# KiCad board AOML_AB_3.0_reorganized-v2.kicad_pcb (continued)
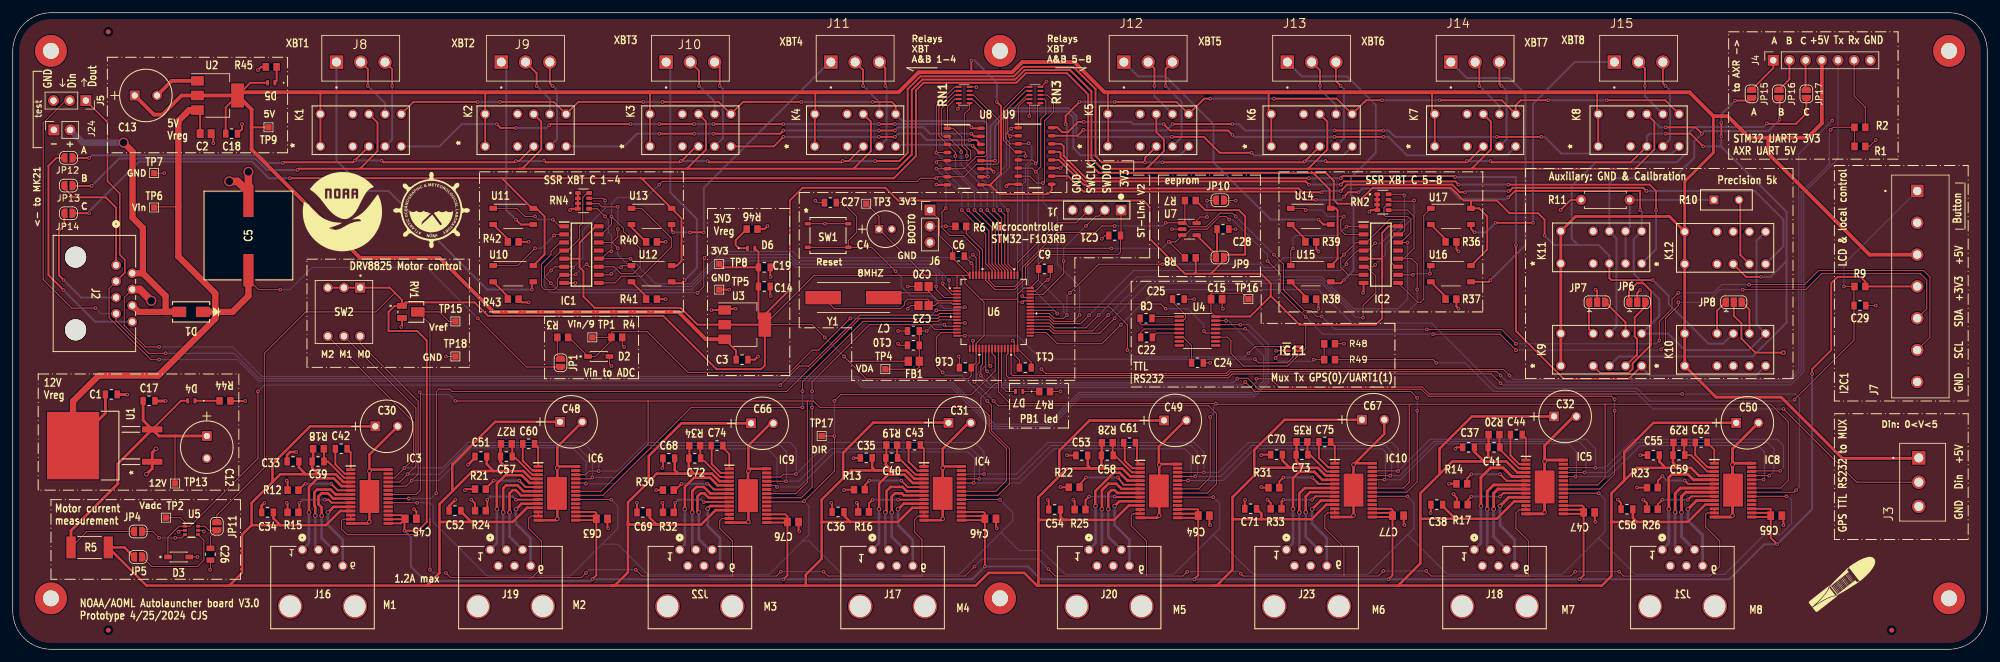
[diagram p0: board, top side]
## Routing (per net, layer and track width the routed paths; a pad name or vN(x,y) marks a point on that pad's centre or on a via; arc(x,y) is an arc through that point) (continued)
/Din_fromComputer: length 249.7
  Top w0.155: v1(193.5,50.32) U4.13 ; v1(13,53.6) 9.27,53.6 4.77,58.09 4.77,82.67 8.3,86.2 J5.2 ; v1(24,46.5) 21.34,46.5 16.23,51.61 J2.7
  Bottom w0.155: J2.7 13.88,52.72 v1(13,53.6) ; v1(24,46.5) 34.74,46.5 38.72,42.53 132.47,42.53 133.49,41.5 147.5,41.5 154,35 162.5,35 167.5,40 194.75,40 196.75,42 196.75,47.25 193.68,50.32 v1(193.5,50.32)
/Din_fromGPS: length 12.4
  Top w0.155: IC11.3 198.75,46.25 v1(198.25,45.75) ; v1(204.25,45.5) R49.1 R48.1
  Bottom w0.155: v1(198.25,45.75) 198.75,45.25 204,45.25 v1(204.25,45.5)
/Dout_toComputer: length 245.4
  Top w0.155: J2.3 15.12,56.69 15.12,52.08 21.7,45.5 v1(23,45.5) ; U4.14 188.89,51 v1(192.75,51)
  Top w0.25: J5.1 14.88,82.81 14.88,73.53 16.8,71.6 16.8,62 17.6,61.2 17.6,59.17 J2.3
  Bottom w0.155: v1(192.75,51) 194,51 197.1,47.9 197.1,41.85 194.9,39.65 167.64,39.65 162.64,34.65 153.86,34.65 147.36,41.15 133.35,41.15 132.32,42.18 38.58,42.18 35.25,45.5 v1(23,45.5)
/I2C1_SCL: length 190
  Top w0.155: v1(192,68) 191.5,68.5 189.5,68.5 187.38,66.38 184.66,66.38 184.08,66.95 U7.1 ; v1(173,66.5) 171,66.5 170,65.5 164,65.5 158.5,60 158.5,58.2 157.3,57 154.2,57 153.25,57.95 U6.58 ; v1(261.5,56) 260.5,55 260.5,53.5 258.5,51.5 v1(258.5,48.5) ; U7.1 183.56,67 v1(181,67) ; U7.1 184.03,67.37 R7.2 ; v1(222,50.25) 233.75,50.25 v1(236,48) ; v1(272.6,57.3) 281.3,57.3 283.5,59.5 300,59.5 301,58.5 301,49 J7.6 ; v1(205.5,52.3) 204.7,52.3 203.8,53.2 202.8,53.2 199.5,56.5 199.5,60.5 v1(198,62)
  Bottom w0.155: v1(205.5,52.3) 207.55,50.25 v1(222,50.25) ; v1(192,68) v1(198,62) ; v1(258.5,48.5) 258,48 v1(236,48) ; v1(173,66.5) 180.5,66.5 v1(181,67) ; v1(272.6,57.3) 268.31,57.3 267.01,56 v1(261.5,56)
/I2C1_SDA: length 184.2
  Top w0.155: U6.59 152.75,57.96 154.21,56.5 157.29,56.5 159,58.21 159,60 162,63 v1(172.5,63) ; v1(236,47) 233.5,49.5 v1(223,49.5) ; J7.5 300.5,53.5 300.5,58 299.5,59 284,59 281.5,56.5 v1(271.6,56.5) ; v1(258.8,47.1) 259.5,47.8 259.5,52.01 261.5,54.01 v1(261.5,54.5) ; v1(203,52.2) 199,56.2 199,59 v1(197,61) ; v1(191,67.5) 190.5,68 189.5,68 187.5,66 185,66 184.05,65.05 U7.3 182.56,64 v1(181.5,64) 181.53,64 R8.2
  Bottom w0.155: v1(261.5,54.5) 266,54.5 268,56.5 v1(271.6,56.5) ; v1(181.5,64) 180.5,63 v1(172.5,63) ; v1(203,52.2) 205.7,49.5 v1(223,49.5) ; v1(197,61) 197,62 191.5,67.5 v1(191,67.5) ; v1(236,47) 258.7,47 v1(258.8,47.1)
/MotorControl/Mode_0: length 304.7
  Top w0.155: v1(245.38,27.12) IC5.24 ; v1(215.38,26.62) IC10.24 ; SW2.1 54.54,48.07 63.65,38.96 63.65,27.53 v1(62.62,26.5) 61.75,25.62 IC3.24 ; v1(184.5,26.5) IC7.24 ; IC9.24 119.75,25.75 v1(120,25.5) ; v1(274.88,26.62) IC8.24 ; v1(90,26) 89.88,26.12 IC6.24 ; v1(150.88,26.12) IC4.24
  Bottom w0.155: v1(62.62,26.5) 66.85,26.5 72,31.65 87.85,31.65 90,29.5 v1(90,26) 94.5,26 100,31.5 118.5,31.5 120,30 v1(120,25.5) 123.5,25.5 129,31 150,31 151,30 151,26.25 v1(150.88,26.12) 158.12,26.12 163.5,31.5 184,31.5 185,30.5 185,27 v1(184.5,26.5) 190,26.5 195,31.5 215,31.5 215.5,31 215.5,26.75 v1(215.38,26.62) 217.82,26.62 223.5,32.3 244.2,32.3 245.5,31 245.5,27.25 v1(245.38,27.12) 250.62,27.12 255.5,32 274,32 275,31 275,26.75 v1(274.88,26.62)
/MotorControl/Mode_1: length 311
  Top w0.155: SW2.2 63.3,37.89 63.3,28.8 v1(62,27.5) 60.78,26.28 IC3.25 ; v1(216.27,27.28) IC10.25 ; v1(151.78,26.78) IC4.25 ; v1(246.77,27.78) IC5.25 ; v1(275.77,27.28) IC8.25 ; IC6.25 90.78,26.78 v1(91,27) ; v1(121.4,26.4) IC9.25 ; v1(185.65,27.15) IC7.25
  Bottom w0.155: v1(275.77,27.28) 276.5,28 276.5,31.5 275.5,32.5 255,32.5 250.27,27.78 v1(246.77,27.78) 247,28 247,31.5 245.85,32.65 223.15,32.65 217.77,27.28 v1(216.27,27.28) 216.5,27.5 216.5,31 215.5,32 194.5,32 189.65,27.15 v1(185.65,27.15) 186,27.5 186,31 185,32 163,32 157.78,26.78 v1(151.78,26.78) 151.78,30.22 150.5,31.5 128.5,31.5 123.4,26.4 v1(121.4,26.4) 121.5,26.5 121.5,31 120.5,32 99.5,32 94.5,27 v1(91,27) 91,29.5 88.5,32 71.5,32 67,27.5 v1(62,27.5)
/MotorControl/Mode_2: length 317.8
  Top w0.155: SW2.3 62.95,35.7 62.95,29.95 v1(61.5,28.5) 59.92,26.93 IC3.26 ; v1(187,27.8) IC7.26 ; IC6.26 89.93,27.43 90.5,28 v1(92,28) ; IC4.26 149.04,27.53 v1(152.5,27.53) ; v1(277.5,28.03) 273.12,28.03 IC8.26 ; IC5.26 243.54,28.53 248.48,28.53 v1(248.5,28.5) ; v1(217.5,28) 217.48,28.03 213.54,28.03 IC10.26 ; IC9.26 120.55,27.05 121.01,27.51 v1(122.97,27.51)
  Bottom w0.155: v1(61.5,28.5) 67.5,28.5 71.5,32.5 89.5,32.5 92,30 v1(92,28) 95,28 99.5,32.5 122,32.5 123,31.5 123,27.5 ; v1(122.97,27.51) 127.95,32.5 151,32.5 152.5,31 v1(152.5,27.53) 157.53,27.53 162.5,32.5 185.5,32.5 187,31 v1(187,27.8) 189.3,27.8 194,32.5 216.5,32.5 217.5,31.5 v1(217.5,28) 222.5,33 247,33 248.5,31.5 v1(248.5,28.5) 250,28.5 254.5,33 277,33 278,32 278,28.53 v1(277.5,28.03)
/MotorControl/Vref: length 372.3
  Top w0.155: 109.44,11.5 119.9,11.5 v1(120.6,12.2) ; 109.44,11.5 113,11.5 113,17 111,19 111,20.2 111.35,20.55 IC9.13 IC9.12 ; 109.44,11.5 98.8,11.5 v1(97.8,12.5) ; v1(151,13) 149.5,11.5 139.75,11.5 ; v1(184.4,12.2) 183.7,11.5 163.7,11.5 v1(162.6,12.6) ; 178,11.5 178,17 175.6,19.4 175.6,21 175.9,21.3 IC7.13 IC7.12 ; 236,11.5 238,11.5 238,17 236,19 236,21.4 236.52,21.93 IC5.13 IC5.12 ; 236,11.5 222.7,11.5 v1(221.9,12.3) ; 236,11.5 244.6,11.5 v1(245.3,12.2) ; IC3.12 IC3.13 51.83,20.43 51.6,20.2 51.6,18.9 52.5,18 64,18 65.5,19.5 65.5,20.5 ; IC8.12 IC8.13 266.02,21.43 265.8,21.2 265.8,19.2 268,17 268,13 266.5,11.5 252.9,11.5 v1(252.2,12.2) ; 81,11.25 89.25,11.25 v1(90,12) ; IC10.12 IC10.13 206.43,21.43 206,21 206,19 209,16 209,11.5 ; IC4.12 IC4.13 142.12,20.93 141.6,20.4 141.6,18.4 142.75,17.25 142.75,11.5 128,11.5 v1(127.3,12.2) ; 65.5,20.5 65.5,51.09 RV1.2 67,53 68.5,51.5 TP15.1 ; 65.5,20.5 v1(65.5,12.5) ; IC6.12 IC6.13 81.32,20.93 81,20.6 81,19 83,17 83,12.75 81.5,11.25 68.75,11.25 v1(68,12) ; v1(192.8,11.9) 193.2,11.5 214.4,11.5 v1(215.2,12.3)
  Bottom w0.155: v1(215.2,12.3) v1(221.9,12.3) ; v1(127.3,12.2) v1(120.6,12.2) ; v1(97.8,12.5) 90.5,12.5 v1(90,12) ; v1(65.5,12.5) 66,12 v1(68,12) ; v1(151,13) 152.2,14.2 161,14.2 v1(162.6,12.6) ; v1(192.8,11.9) 192.5,12.2 v1(184.4,12.2) ; v1(245.3,12.2) v1(252.2,12.2)
/MUX_output: length 16.8
  Top w0.155: 188.84,49 U4.11 190.72,49.03 191.25,48.5 191.25,46.5 193.25,44.5 200.15,44.5 IC11.4
/MUX_select: length 57.3
  Top w0.155: v1(195,45.57) 195.57,45 200.1,45 201.03,45.93 201.03,47.43 201.15,47.55 IC11.6 ; U6.16 v1(149.5,49.25)
  Bottom w0.155: v1(195,45.57) 161.43,45.57 157.75,49.25 v1(149.5,49.25)
/RelayControl/Reset1: length 107.6
  Top w0.3: v1(135,86) 138,86 138.62,85.38 K4.7 ; v1(123.8,86) 114.67,86 K3.7 110.83,86 v1(102,86) ; v1(73,86) 62.92,86 K1.7 ; v1(76.5,86) 84.95,86 K2.7 88.79,86 v1(99,86) ; v1(153.13,74.23) U8.10
  Bottom w0.3: v1(153.13,74.23) 153,74.36 153,82.5 152.5,83 139.7,83 K4.7 ; v1(73,86) v1(76.5,86) ; v1(99,86) v1(102,86) ; v1(123.8,86) v1(135,86)
/RelayControl/Reset2: length 114.5
  Top w0.3: K8.7 259.45,86.25 v1(250.25,86.25) ; v1(224,86.25) 233.79,86.25 K7.7 235.96,85.46 236.75,86.25 v1(241.1,86.25) ; v1(215,86.25) 212.5,86.25 212.25,86 212.21,86 K6.7 207.87,86.5 v1(198,86.5) ; v1(167.5,86) 165.3,83.8 v1(165.3,82.5) ; v1(164.5,75.59) U9.11 ; v1(188,86.5) 187.04,86.5 K5.7 182.7,86 v1(173,86)
  Bottom w0.3: v1(198,86.5) v1(188,86.5) ; v1(165.3,82.5) 165.5,82.3 165.5,76.59 v1(164.5,75.59) ; v1(224,86.25) v1(215,86.25) ; v1(167.5,86) v1(173,86) ; v1(250.25,86.25) v1(241.1,86.25)
/RelayControl/Reset3: length 160.5
  Top w0.3: v1(209,71.1) 209.7,71.8 v1(211.3,71.8) ; v1(204.6,70.6) 202.7,70.6 201.4,71.9 168.1,71.9 165.68,74.33 U9.10 ; v1(234.8,71) 234.86,71 235.86,72 255.5,72 v1(255.5,69)
  Bottom w0.3: K12.7 273.77,64.17 273.77,51.03 K10.7 272.6,47 262.5,47 259.9,49.6 K9.7 258.5,52.35 258.5,55 254.5,59 254.5,64.43 K11.7 255.75,68.75 v1(255.5,69) ; v1(204.6,70.6) 208.5,70.6 v1(209,71.1) ; v1(211.3,71.8) 211.9,72.4 225.6,72.4 227.3,70.7 234.5,70.7 v1(234.8,71)
/RelayControl/XBT1_A: length 14.2
  Top w0.3: v1(59.57,88.5) 59.57,91.13 J8.3
  Bottom w0.3: v1(59.57,88.5) 59.57,80.11 K1.5
/RelayControl/XBT1_B: length 9.8
  Top w0.3: J8.2 55.75,91.14 v1(55.75,88.5)
  Bottom w0.3: K1.8 58.46,85.79 v1(55.75,88.5)
/RelayControl/XBT1_C: length 55.9
  Top w0.3: v1(81.5,56.5) 81.5,57.5 U10.4
  Bottom w0.3: v1(81.5,56.5) 74.5,56.5 59,72 55.6,72 50.83,76.77 J8.1
/RelayControl/XBT2_A: length 14.2
  Top w0.3: J9.3 84.32,88.93 v1(84.75,88.5)
  Bottom w0.3: K2.5 85.45,80.11 85.45,87.8 v1(84.75,88.5)
/RelayControl/XBT2_B: length 9.8
  Top w0.3: v1(82.25,88.5) 82.25,90.51 J9.2
  Bottom w0.3: v1(82.25,88.5) 84.33,86.42 K2.8
/RelayControl/XBT2_C: length 28.7
  Top w0.3: U11.4 79.77,66.73 v1(79,67.5)
  Bottom w0.3: J9.1 77.49,91.46 77.49,69.01 v1(79,67.5)
/RelayControl/XBT3_A: length 14.3
  Top w0.3: v1(111,88.5) 111,91.44 J10.3
  Bottom w0.3: v1(111,88.5) 111.5,88 111.5,80.29 K3.5
/RelayControl/XBT3_B: length 9.8
  Top w0.3: v1(107.75,88.5) 107.75,90.88 J10.2
  Bottom w0.3: v1(107.75,88.5) 110.21,86.04 K3.8
/RelayControl/XBT3_C: length 39.4
  Top w0.3: U12.4 103.67,57.5 105,57.5 v1(105.5,58)
  Bottom w0.3: J10.1 103.25,91.58 103.25,71.75 107.4,67.6 107.4,59.9 v1(105.5,58)
/RelayControl/XBT4_A: length 14.2
  Top w0.3: J11.3 137,91.32 v1(137,88.5)
  Bottom w0.3: v1(137,88.5) 137.19,88.31 137.19,80.11 K4.5
/RelayControl/XBT4_B: length 9.8
  Top w0.3: J11.2 133.5,91.01 v1(133.5,88.5)
  Bottom w0.3: K4.8 136.08,85.92 v1(133.5,88.5)
/RelayControl/XBT4_C: length 41.3
  Top w0.3: v1(103.7,65.5) 103.44,65.76 U13.4 ; v1(108.5,65.5) v1(106.3,65.5)
  Bottom w0.3: v1(108.5,65.5) 108.5,72.5 128.25,92.25 J11.1 ; v1(106.3,65.5) v1(103.7,65.5)
/RelayControl/XBT5_A: length 15.3
  Top w0.3: J12.3 181,91.18 v1(181,88.5)
  Bottom w0.3: K5.5 183.5,80.42 183.5,86 v1(181,88.5)
/RelayControl/XBT5_B: length 9.8
  Top w0.3: v1(179.25,88.5) 179.25,91.26 J12.2
  Bottom w0.3: v1(179.25,88.5) 179.25,86.91 K5.8
/RelayControl/XBT5_C: length 46.6
  Top w0.3: v1(205,67.5) 205.77,66.73 U14.4
  Bottom w0.3: J12.1 176.7,90 181,90 188.5,82.5 188.5,76.5 197.5,67.5 v1(205,67.5)
/RelayControl/XBT6_A: length 14.3
  Top w0.3: J13.3 207.74,89.26 v1(208.5,88.5)
  Bottom w0.3: K6.5 209,80.25 209,88 v1(208.5,88.5)
/RelayControl/XBT6_B: length 9.8
  Top w0.3: v1(205.25,88.5) 205.25,90.93 J13.2
  Bottom w0.3: v1(205.25,88.5) 205.25,88 207.75,85.5 K6.8
/RelayControl/XBT6_C: length 48.9
  Top w0.3: v1(209,58) 208.5,57.5 207.18,57.5 U15.4
  Bottom w0.3: v1(209,58) 210.5,59.5 210.5,71 210.1,71.4 210.1,74.1 214,78 214,85.5 209.5,90 202.37,90 J13.1
/RelayControl/XBT7_A: length 14.2
  Top w0.3: J14.3 233.4,88.85 v1(233.75,88.5)
  Bottom w0.3: v1(233.75,88.5) 234.53,87.72 234.53,80.11 K7.5
/RelayControl/XBT7_B: length 9.8
  Top w0.3: J14.2 230.25,91.59 v1(230.25,88.5)
  Bottom w0.3: K7.8 233.42,85.33 v1(230.25,88.5)
/RelayControl/XBT7_C: length 48.5
  Top w0.3: v1(232,58) 231.73,57.73 U16.4
  Bottom w0.3: J14.1 228.28,89.75 235,89.75 237.5,87.25 237.5,63.5 v1(232,58)
/RelayControl/XBT8_A: length 14.2
  Top w0.3: v1(259.5,88.5) 259.07,88.93 J15.3
  Bottom w0.3: K8.5 260.2,80.11 260.2,87.8 v1(259.5,88.5)
/RelayControl/XBT8_B: length 9.8
  Top w0.3: v1(256.25,88.5) 256.25,91.26 J15.2
  Bottom w0.3: v1(256.25,88.5) 256.25,86.91 K8.8
/RelayControl/XBT8_C: length 45.4
  Top w0.3: v1(238.7,67) v1(232.8,67) ; v1(229.5,65.5) 228.94,66.06 U17.4
  Bottom w0.3: v1(238.7,67) 238.7,85.7 245.25,92.25 J15.1 ; v1(232.8,67) 231.3,65.5 v1(229.5,65.5)
/SWCLK: length 16.6
  Top w0.155: J1.3 166.92,67 164,67 157.75,60.75 U6.49
/SWDIO: length 19.5
  Top w0.155: U6.46 161.75,55.75 165,59 v1(165,61) ; v1(168.5,66.5) 170.04,68.04 170.5,68.04 J1.2
  Bottom w0.155: v1(165,61) 165,63 v1(168.5,66.5)
/UART1_RX: length 31.6
  Top w0.155: U4.12 187.32,49.68 v1(187,50) ; v1(181,53.5) 180.25,54.25 U6.43
  Bottom w0.155: v1(181,53.5) 184.5,53.5 187,51 v1(187,50)
/UART1_TX: length 46.5
  Top w0.155: v1(175,47) 175,51 172.25,53.75 U6.42 ; v1(194,46.5) 195.05,47.55 IC11.1
  Bottom w0.155: v1(175,47) 176.07,45.93 193.43,45.93 v1(194,46.5)
/UART3_RX: length 176.4
  Top w0.155: v1(233.6,43) 233,43.6 191.29,43.6 190.69,43 157,43 156.75,43.25 U6.30 ; v1(285.4,81.6) 285.8,82 R2.1 R1.1
  Bottom w0.155: v1(285.4,81.6) 285.2,81.4 285.2,76.2 280.8,71.8 280.8,43.8 279,42 234.6,42 v1(233.6,43)
/UART3_TX: length 182.7
  Top w0.155: U6.29 156.25,46.45 156,46.2 156,43 156.35,42.65 190.85,42.65 191.45,43.25 232.15,43.25 v1(233.6,41.8)
  Bottom w0.155: v1(233.6,41.8) 233.87,41.53 279.13,41.53 281.2,43.6 281.2,71.71 286.56,77.07 J4.5
DIR: length 397.6
  Top w0.155: v1(129,39) 130,40 150.5,40 154.25,43.75 154.25,45.95 153.75,46.45 U6.24 ; TP17.1 v1(129,33.5) 129,28 v1(124.25,23.25) 124.15,23.15 IC9.20 ; v1(63.5,23) 63.47,23.03 IC3.20 ; v1(188.5,23.9) IC7.20 ; v1(94,23.5) 93.97,23.53 IC6.20 ; IC4.20 154.97,23.53 v1(155,23.5) ; IC10.20 218.98,24.03 v1(219,24) ; v1(278.48,24.03) IC8.20 ; IC5.20 248.98,24.53 v1(249,24.5)
  Bottom w0.155: 92.5,16.5 95,19 95,22.5 v1(94,23.5) ; 92.5,16.5 87.5,11.5 74.5,11.5 66,20 66,22.5 65.47,23.03 63.53,23.03 v1(63.5,23) ; 92.5,16.5 95,16.5 99.75,11.75 118.75,11.75 124,17 ; v1(278.48,24.03) 278.73,24.03 279.25,23.5 279.25,19.75 277.5,18 275,18 268.75,11.75 254.75,11.75 249,17.5 ; v1(155,23.5) 157,21.5 157,20.2 155.15,18.35 ; 219,18 212.75,11.75 194.75,11.75 188.5,18 ; 219,18 220,19 220,23 v1(219,24) ; 219,18 225.25,11.75 243.25,11.75 249,17.5 ; 124,17 125,17 130.25,11.75 148.55,11.75 155.15,18.35 ; 124,17 125,18 125,22.5 v1(124.25,23.25) ; 188.5,18 182.25,11.75 165.25,11.75 161.5,15.5 158,15.5 155.15,18.35 ; 188.5,18 189.5,19 189.5,22.9 v1(188.5,23.9) ; 249,17.5 250,18.5 250,23.5 v1(249,24.5) ; v1(129,33.5) v1(129,39)
Enable_M1: length 110.8
  Top w0.155: v1(62.17,23.68) IC3.21 ; v1(66.5,24.5) 66.5,40.5 66.88,40.88 68.61,40.88 68.99,40.5 121.5,40.5 133,52 145.26,52 145.51,52.25 U6.10
  Bottom w0.155: v1(66.5,24.5) 65.67,23.68 v1(62.17,23.68)
Enable_M2: length 73.6
  Top w0.155: v1(124,40.52) 124,42 133.5,51.5 145.26,51.5 145.51,51.75 U6.11 ; v1(124,38) 106.5,38 92.68,24.18 IC6.21
  Bottom w0.155: v1(124,38) v1(124,40.52)
Enable_M3: length 51.1
  Top w0.155: IC9.21 123.8,23.8 125.5,25.5 v1(125.5,38) ; v1(125.5,40.52) 125.5,42 134.5,51 144,51 144.75,50.25 U6.14
  Bottom w0.155: v1(125.5,38) v1(125.5,40.52)
Enable_M4: length 41.1
  Top w0.155: IC4.21 154.68,24.18 156.5,26 156.5,31.5 153.65,34.35 153.65,38.35 v1(153,39) ; v1(146,43.5) 145,44.5 145,49 145.75,49.75 U6.15
  Bottom w0.155: v1(146,43.5) 146.5,43 149,43 v1(153,39)
Enable_M5: length 63.4
  Top w0.155: IC7.21 187.55,24.55 189,26 189,37 187.75,38.25 154.75,38.25 v1(154,39) ; v1(151,42) 151.25,42.25 151.25,44.53 151.75,45.03 U6.20
  Bottom w0.155: v1(151,42) v1(154,39)
Enable_M6: length 95.6
  Top w0.155: v1(220.5,39.5) 219.5,40.5 195,40.5 v1(193.5,42) ; v1(220.5,37.5) 220.5,26.32 218.85,24.68 IC10.21 ; U6.21 152.25,44.75 152,44.5 v1(152,43)
  Bottom w0.155: v1(220.5,39.5) v1(220.5,37.5) ; v1(152,43) 153.5,41.5 193,41.5 v1(193.5,42)
Enable_M7: length 125.4
  Top w0.155: IC5.21 249.17,25.18 251.5,27.51 v1(251.5,37.5) ; v1(192.25,42.5) 192.32,42.57 193.93,42.57 195.65,40.85 221.15,40.85 222.25,39.75 251,39.75 v1(251.5,39.25) ; v1(153,43.66) 152.75,43.91 U6.22
  Bottom w0.155: v1(251.5,37.5) v1(251.5,39.25) ; v1(153,43.66) 154.81,41.85 191.6,41.85 v1(192.25,42.5)
Enable_M8: length 159.6
  Top w0.155: v1(262.1,40.1) 222.39,40.1 221.29,41.2 198.8,41.2 197.5,42.5 v1(195.25,42.5) ; v1(280,25) 279.68,24.68 IC8.21 ; U6.23 153.25,44.75 v1(153.5,44.5)
  Bottom w0.155: v1(195.25,42.5) 195.25,42 194.4,41.15 153.04,41.15 151.43,42.76 151.43,43.24 152.69,44.5 v1(153.5,44.5) ; v1(262.1,40.1) 279.9,40.1 280.5,39.5 280.5,25.5 v1(280,25)
relay_cal_cont: length 41.3
  Top w0.155: v1(158.5,54.5) 158.75,54.75 U6.44 ; v1(159,77.5) 159,78 158.87,78.14 U9.4 157.37,78.14 155.56,79.94 155.56,84.97 158.96,88.36 RN3.1
  Bottom w0.155: v1(158.5,54.5) 158,54.5 157.75,54.75 157.75,77.22 158.03,77.5 v1(159,77.5)
relay_cal_res: length 43.7
  Top w0.155: v1(164,52.75) 163.5,53.25 U6.41 ; RN3.6 160.9,85.35 160.9,76.6 v1(160.6,76.3) 160.6,76.4 160.13,76.86 U9.5
  Bottom w0.155: v1(164,52.75) 159.37,57.38 159.37,75.82 159.86,76.3 v1(160.6,76.3)
relay_gnd_cond: length 39.6
  Top w0.155: U6.45 158.75,55.25 v1(158.5,55.5) ; v1(159.5,79.5) 159.41,79.41 U9.3 156.64,79.41 155.91,80.14 155.91,84.61 159.02,87.72 RN3.2
  Bottom w0.155: v1(159.5,79.5) 160,79 160,77 159,76 159,73.5 158.5,73 v1(158.5,55.5)
relay_reset1: length 139.7
  Top w0.155: IC1.3 85.91,63.91 84.5,62.5 84.5,62 83,60.5 83,57 83.5,56.5 85,56.5 85.5,57 85.5,58.19 86.14,58.83 IC1.7 88.32,58.83 v1(88.4,58.9) ; v1(101.5,73) 102,73.5 142,73.5 142.5,74 v1(145,74) 145.23,74.23 U8.7 149.33,74.23 151.3,76.2 154.5,76.2 154.8,76.5 154.8,83.11 150.83,87.08 RN1.7 ; v1(90.1,60.5) 90.5,60.09 IC1.11 94.41,60.09 95.5,59 97.42,59 98.5,60.08 98.5,63 95.9,65.6 95.9,66.1 v1(94,68) 94,66.74 92.44,65.17 IC1.15 ; U6.61 151.75,62.5 149.25,65 147.11,65 145.88,66.22 145.88,68.69 v1(146.5,69.3)
  Bottom w0.155: v1(88.4,58.9) 90,60.5 v1(90.1,60.5) ; v1(94,68) 94,70 95,71 99.5,71 v1(101.5,73) ; v1(145,74) 146.5,72.5 v1(146.5,69.3)
relay_reset2: length 123.7
  Top w0.155: U6.40 162.75,52.75 163.5,52 165,52 v1(165.5,52.5) ; U9.6 160.03,75.59 v1(160.61,75.01) 161.4,75.8 161.4,83.3 162.2,84.1 162.2,86.19 161.95,86.44 RN3.8 ; v1(180.5,60.5) 170.5,60.5 v1(166,56) ; IC2.11 217.07,60.09 216.47,60.69 216.47,64.58 217.07,65.17 IC2.15 217.94,65.17 218.54,65.78 218.54,67.46 218.5,67.5 216.12,67.5 212.52,63.91 IC2.3 210.9,63.91 v1(209,62) 208.5,61.5 208.5,60 209.68,58.83 IC2.7
  Bottom w0.155: v1(160.61,75.01) 161.03,74.6 161.03,57.97 165,54 165,53 v1(165.5,52.5) 165.5,55.5 v1(166,56) ; v1(209,62) 208.5,61.5 199.5,61.5 198,60 196.5,60 196,60.5 v1(180.5,60.5)
relay_reset3: length 51.9
  Top w0.155: U6.39 162.76,52.25 163.51,51.5 166.5,51.5 v1(167.5,52.5) ; RN3.7 162.42,87.08 163.4,86.1 163.4,84.4 162,83 162,73.5 v1(161.75,73.25) 160.75,73.25 159.68,74.33 U9.7
  Bottom w0.155: v1(167.5,52.5) 167.5,57 164,60.5 164,68 161.75,70.25 v1(161.75,73.25)
relay_xbt1: length 39.3
  Top w0.155: v1(145,75.5) U8.6 149.4,75.5 151.3,77.4 152.6,77.4 152.9,77.7 152.9,84.2 150.66,86.44 RN1.8 ; v1(149,69) 152.75,65.25 152.75,60.55 153.75,59.55 U6.57
  Bottom w0.155: v1(145,75.5) 149,71.5 v1(149,69)
relay_xbt2: length 36.7
  Top w0.155: U6.56 154.25,59.54 153.25,60.54 153.25,65.75 v1(150,69) ; v1(145,76.5) 145.27,76.77 U8.5 150.07,76.77 150.4,77.1 150.4,78.3 149.4,79.3 149.4,84.1 150.22,84.92 RN1.6
  Bottom w0.155: v1(150,69) 150,71.5 v1(145,76.5)
relay_xbt3: length 37.2
  Top w0.155: U6.55 154.75,59.54 153.75,60.54 153.75,66.25 v1(151,69) ; RN1.1 147.92,88.36 145,85.44 v1(145,78) 145.04,78.04 U8.4
  Bottom w0.155: v1(145,78) 151,72 v1(151,69)
relay_xbt4: length 34.7
  Top w0.155: v1(148,77.5) 148,78.06 U8.3 145.4,80.66 145.4,85.2 147.92,87.72 RN1.2 ; U6.54 155.25,59.53 154.25,60.53 154.25,66.75 v1(152,69)
  Bottom w0.155: v1(152,69) 152,71.5 148,75.5 v1(148,77.5)
relay_xbt5: length 34.4
  Top w0.155: RN1.3 147.92,87.08 145.8,84.96 145.8,80.8 146.02,80.58 U8.2 148.9,78.43 v1(148.9,78.1) ; v1(153,69) 154.75,67.25 154.75,60.53 155.75,59.53 U6.53
  Bottom w0.155: v1(153,69) 153,72 148.9,76.1 v1(148.9,78.1)
relay_xbt6: length 33.2
  Top w0.155: RN1.4 147.92,86.44 146.75,85.27 U8.1 147.65,81.85 149,80.5 149,79.1 149.8,78.3 v1(149.8,77.5) ; v1(154,69) 155.25,67.75 155.25,60.52 156.25,59.52 U6.52
  Bottom w0.155: v1(149.8,77.5) 149.8,76.2 154,72 v1(154,69)
relay_xbt7: length 31.7
  Top w0.155: U6.51 156.75,59.52 155.75,60.52 155.75,68.25 v1(155,69) ; v1(156.75,81.8) 156.89,81.94 U9.1 157.87,85.27 159.04,86.44 RN3.4
  Bottom w0.155: v1(156.75,81.8) 156,81.05 156,76 154.5,74.5 154.5,69.5 v1(155,69)
relay_xbt8: length 33
  Top w0.155: RN3.3 159.25,87.08 156.22,84.05 156.22,80.98 v1(156.6,80.6) 156.68,80.67 U9.2 ; U6.50 157.25,59.51 156.25,60.51 v1(156.25,69)
  Bottom w0.155: v1(156.25,69) 155,70.25 155,74.23 156.5,75.73 156.5,80.5 v1(156.6,80.6)
SSR_xbt1: length 88.1
  Top w0.155: U6.4 146.25,55.25 145,56.5 v1(145,57) ; v1(84.5,57.5) 83.5,58.5 83.5,60 86.14,62.64 IC1.4 87.13,62.64 89,64.5 89,66.5 89.5,67 89.5,71 90.19,71.69 RN4.8
  Bottom w0.155: v1(145,57) 145,59 144,60 123,60 122,61 111,61 106.5,56.5 85.5,56.5 v1(84.5,57.5)
SSR_xbt2: length 77.5
  Top w0.155: v1(95,63) 94.09,63.91 IC1.14 94.1,63.91 95,64.8 v1(95,66) ; v1(95,69.5) 92.5,69.5 92,70 90.54,70 RN4.6 ; v1(146,57.5) 146,57.21 147.46,55.75 U6.3
  Bottom w0.155: v1(95,63) 95,62 100,57 106.5,57 111,61.5 122,61.5 123,60.5 144,60.5 146,58.5 v1(146,57.5) ; v1(95,66) v1(95,69.5)
SSR_xbt3: length 74.3
  Top w0.155: v1(97,61.36) IC1.12 92.44,61.36 93.57,62.5 v1(94,62.5) ; RN4.5 91.79,69.2 v1(93,68) ; U6.2 147.45,56.25 147,56.7 v1(147,58)
  Bottom w0.155: v1(147,58) 144,61 123,61 122,62 111,62 106.43,57.43 100.94,57.43 v1(97,61.36) ; v1(94,62.5) 94,65 93.5,65.5 93.5,67.5 v1(93,68)
SSR_xbt4: length 98.9
  Top w0.155: v1(108.6,61.5) 108.5,61.4 108.5,57 v1(107.5,56) ; RN4.7 92.66,70.84 v1(93,70.5) ; U6.62 151.25,61.5 v1(150.75,62) ; v1(84.5,59.5) 85.09,60.09 IC1.6 87.91,60.09 v1(88,60)
  Bottom w0.155: v1(107.5,56) 107.47,56.03 84.47,56.03 83.5,57 83.5,58.5 v1(84.5,59.5) ; v1(150.75,62) 150.25,61.5 123.5,61.5 122.5,62.5 109.6,62.5 v1(108.6,61.5) ; v1(93,70.5) 93,69.25 89.5,65.75 89.5,61.5 v1(88,60)
SSR_xbt5: length 72.4
  Top w0.155: v1(213.9,63.8) 212.74,62.64 IC2.4 211.13,62.64 209.4,60.9 v1(209.4,60.5) ; U6.38 162.76,51.75 163.36,51.15 167.65,51.15 v1(169,52.5) ; RN2.8 218.32,71.48 v1(218.5,71.3)
  Bottom w0.155: v1(209.4,60.5) 208.4,59.5 176,59.5 v1(169,52.5) ; v1(213.9,63.8) 214.8,63.8 218.5,67.5 v1(218.5,71.3)
SSR_xbt6: length 87.2
  Top w0.155: RN2.6 215.75,69.84 215.27,69.37 215.27,68.22 215.5,68 219,68 219.5,67.5 219.5,65.46 217.94,63.91 IC2.14 v1(219,63.91) ; U6.37 162.77,51.25 163.52,50.5 168.5,50.5 v1(170.5,52.5)
  Bottom w0.155: v1(170.5,52.5) 176.5,58.5 205.5,58.5 210.5,53.5 217.5,53.5 219,55 v1(219,63.91)
SSR_xbt7: length 88.9
  Top w0.155: v1(220.5,56.5) 220.5,60.5 219.63,61.36 IC2.12 218.37,61.36 220,63 220,68 219,69 RN2.5 ; v1(172,52.5) 169.5,50 163.52,50 162.77,50.75 U6.36
  Bottom w0.155: v1(172,52.5) 177.5,58 205.5,58 210.35,53.15 219.15,53.15 220.5,54.5 v1(220.5,56.5)
SSR_xbt8: length 86.7
  Top w0.155: v1(220,70.5) 219.9,70.4 216.24,70.4 RN2.7 ; v1(213.9,60.4) 213.6,60.09 IC2.6 212.52,60.09 214,58.62 214,56 212,54 v1(212,52.1) ; v1(173,52) 170.65,49.65 163.35,49.65 162.75,50.25 U6.35
  Bottom w0.155: v1(173,52) 173,52.24 178.26,57.5 205.5,57.5 210.9,52.1 v1(212,52.1) ; v1(220,70.5) 220,68 215.5,63.5 215.5,62 v1(213.9,60.4)
STEP: length 380.2
  Top w0.155: v1(69.5,39) 99.75,39 ; 99.75,39 99.75,32.25 92.32,24.82 IC6.22 ; 99.75,39 124.75,39 ; IC5.22 248.82,25.82 250,27 250,38.5 ; 154.75,41.75 154.25,41.75 152,39.5 152,38 ; 154.75,41.75 154.75,40.45 156.6,38.6 v1(188.9,38.6) 189,38.5 250,38.5 ; 154.75,41.75 U6.26 ; 219.5,38.5 219.25,38.25 219.25,26.25 218.32,25.32 IC10.22 ; 152,38 126.72,38 125.72,39 124.75,39 ; 152,38 153.3,36.7 153.3,34.21 156,31.51 156,26.5 154.32,24.82 IC4.22 ; 124.75,39 124.75,26.25 122.95,24.45 IC9.22 ; v1(63.9,40.4) 64,40.3 64,25 63.33,24.32 IC3.22 ; 250,38.5 276,38.5 278.75,35.75 278.75,26.5 277.57,25.32 IC8.22 ; v1(188,36.5) 188,27 186.2,25.2 IC7.22
  Bottom w0.155: v1(188,36.5) 188.5,37 188.5,38.2 v1(188.9,38.6) ; v1(63.9,40.4) 64.3,40 68.5,40 v1(69.5,39)
Vmotor_out: length 905.6
  Top w0.3: 106.24,31.59 106.24,29.73 ; R19.2 137.15,30.15
  Top w0.4: 130.36,26.86 131.59,28.09 136,28.09 ; 130.36,26.86 127,23.5 127,19.91 ; 130.36,26.86 130.36,30.86 135.11,35.61 146.88,35.61 C31.1 ; 104.5,27.59 103.93,28.16 C68.2 ; 104.5,27.59 107,27.59 ; 104.5,27.59 101.09,27.59 99.86,26.36 ; 191.5,20.57 191.64,20.44 196.05,20.44 ; 191.5,20.57 191.5,23.89 194.91,27.3 ; 191.5,20.57 191.5,12.5 189,10 160.8,10 158.8,12 153.2,12 151.2,10 124.5,10 ; 202.55,28.52 200.64,28.52 ; 202.55,28.52 201.49,29.59 C73.1 201.56,30.65 R35.2 201.53,32.54 ; 202.55,28.52 204.89,28.52 206.14,27.28 IC10.4 ; 200.64,28.52 200.48,28.52 199.34,29.66 C70.2 ; 200.64,28.52 196.14,28.52 194.91,27.3 ; 180.85,35.9 180.82,35.94 169.05,35.94 164.3,31.19 164.3,27.19 ; 131.5,20 127.09,20 127,19.91 ; 131.5,20 139,20 141.22,22.22 IC4.11 ; 131.5,20 130.5,21 C36.2 ; 46,27.5 44.93,28.57 C33.2 44.93,29.07 ; 46,27.5 48,27.5 ; 46,27.5 42,27.5 40.78,26.28 ; C30.1 46.69,35.03 40.78,29.11 40.78,26.28 ; 224,27.5 224,31.5 229.07,36.57 C32.1 ; 224,27.5 221,24.5 221,20.5 ; 224,27.5 226,29.5 231,29.5 ; R29.2 260.73,30.58 C59.1 260.66,29.34 261.5,28.5 ; 252.75,26.25 251,24.5 251,20 ; 252.75,26.25 255,28.5 259.5,28.5 ; 252.75,26.25 253,26.5 253,31 257.57,35.57 C50.1 ; 75.5,28 74.43,29.07 C51.2 ; 75.5,28 78,28 ; 75.5,28 72.2,28 67,22.8 67,12 65,10 ; 42,19.5 49.19,19.5 51.41,21.72 IC3.11 ; 42,19.5 37.5,19.5 ; 42,19.5 40.93,20.57 C34.2 ; 96.59,20 96.59,12.09 94.5,10 65,10 ; 96.59,20 96.59,19.59 101.09,19.59 ; 96.59,20 96.59,23.09 99.86,26.36 ; C38.2 224.5,22.5 226.5,20.5 ; 116.02,35.11 115.63,35.5 105,35.5 99.86,30.36 99.86,26.36 ; 127,19.91 127,14.2 124.5,11.7 124.5,10 ; 172,28.41 174.2,28.41 175.46,27.15 IC7.4 ; 172,28.41 171.58,28.41 170.92,29.08 C58.1 170.99,30.53 R28.2 ; 172,28.41 170,28.41 ; 37.5,19.5 36,18 36,12 34,10 ; 37.5,19.5 37.5,23 40.78,26.28 ; 251,20 251,11.5 249.5,10 217.5,10 ; 251,20 255,20 ; 164.3,27.19 165.53,28.41 170,28.41 ; 164.3,27.19 161.03,23.91 161.03,20.32 ; 107,27.59 106.14,28.44 C72.1 ; 107,27.59 109.76,27.59 110.95,26.4 IC9.4 ; 65,10 34,10 ; 34,10 21,10 R5.1 17.54,16 19.04,14.5 ; C37.2 229.49,31.01 231,29.5 ; 194.91,27.3 194.91,31.3 199.66,36.05 211.5,36.05 211.46,36.01 ; 161.03,20.32 161.03,10 ; 161.03,20.32 165.44,20.32 ; 226.5,20.5 233,20.5 235.73,23.22 IC5.11 ; 226.5,20.5 221,20.5 ; IC7.11 175.21,22.6 172.94,20.32 165.44,20.32 ; R27.2 76.57,32.2 C57.1 76.57,29.43 78,28 ; IC6.11 80.74,22.22 78.51,20 72,20 ; 78,28 80.17,28 81.4,26.78 IC6.4 ; C71.2 196.05,21.3 196.05,20.44 ; 170,28.41 169.23,28.41 168.77,28.87 C53.2 ; 196.05,20.44 203.94,20.44 206.22,22.72 IC10.11 ; 217.5,10 188.5,10 ; 217.5,10 221,13.5 221,20.5 ; C54.2 164.5,20.82 165,20.32 165.44,20.32 ; R20.2 231.71,31.8 C41.1 231.63,30.37 232.5,29.5 ; 48,27.5 50.67,27.5 51.9,26.28 IC3.4 ; 48,27.5 47,28.5 C39.1 47.15,29.65 R18.2 ; 255,20 263,20 265.73,22.72 IC8.11 ; 255,20 254.36,20.64 C56.2 ; 101.09,19.59 108.09,19.59 110.35,21.85 IC9.11 ; 101.09,19.59 100.02,20.66 100.02,21.59 ; 138,28.09 137.07,29.01 C40.1 ; 138,28.09 136,28.09 ; 138,28.09 140.26,28.09 141.57,26.78 IC4.4 ; 72,20 70.36,21.64 C52.2 ; 72,20 67,20 ; 259.5,28.5 258.51,29.49 C55.2 ; 259.5,28.5 261.5,28.5 ; 136,28.09 135.41,28.09 134.93,28.57 C35.2 ; IC8.4 264.73,27.28 263.5,28.5 261.5,28.5 ; C48.1 75.72,35.72 69,29 69,25 69.1,24.9 ; 231,29.5 232.5,29.5 ; 124.5,10 94,10 ; 232.5,29.5 234.5,29.5 236.23,27.78 IC5.4